# KiCad board MurPhySDR.kicad_pcb (continued)
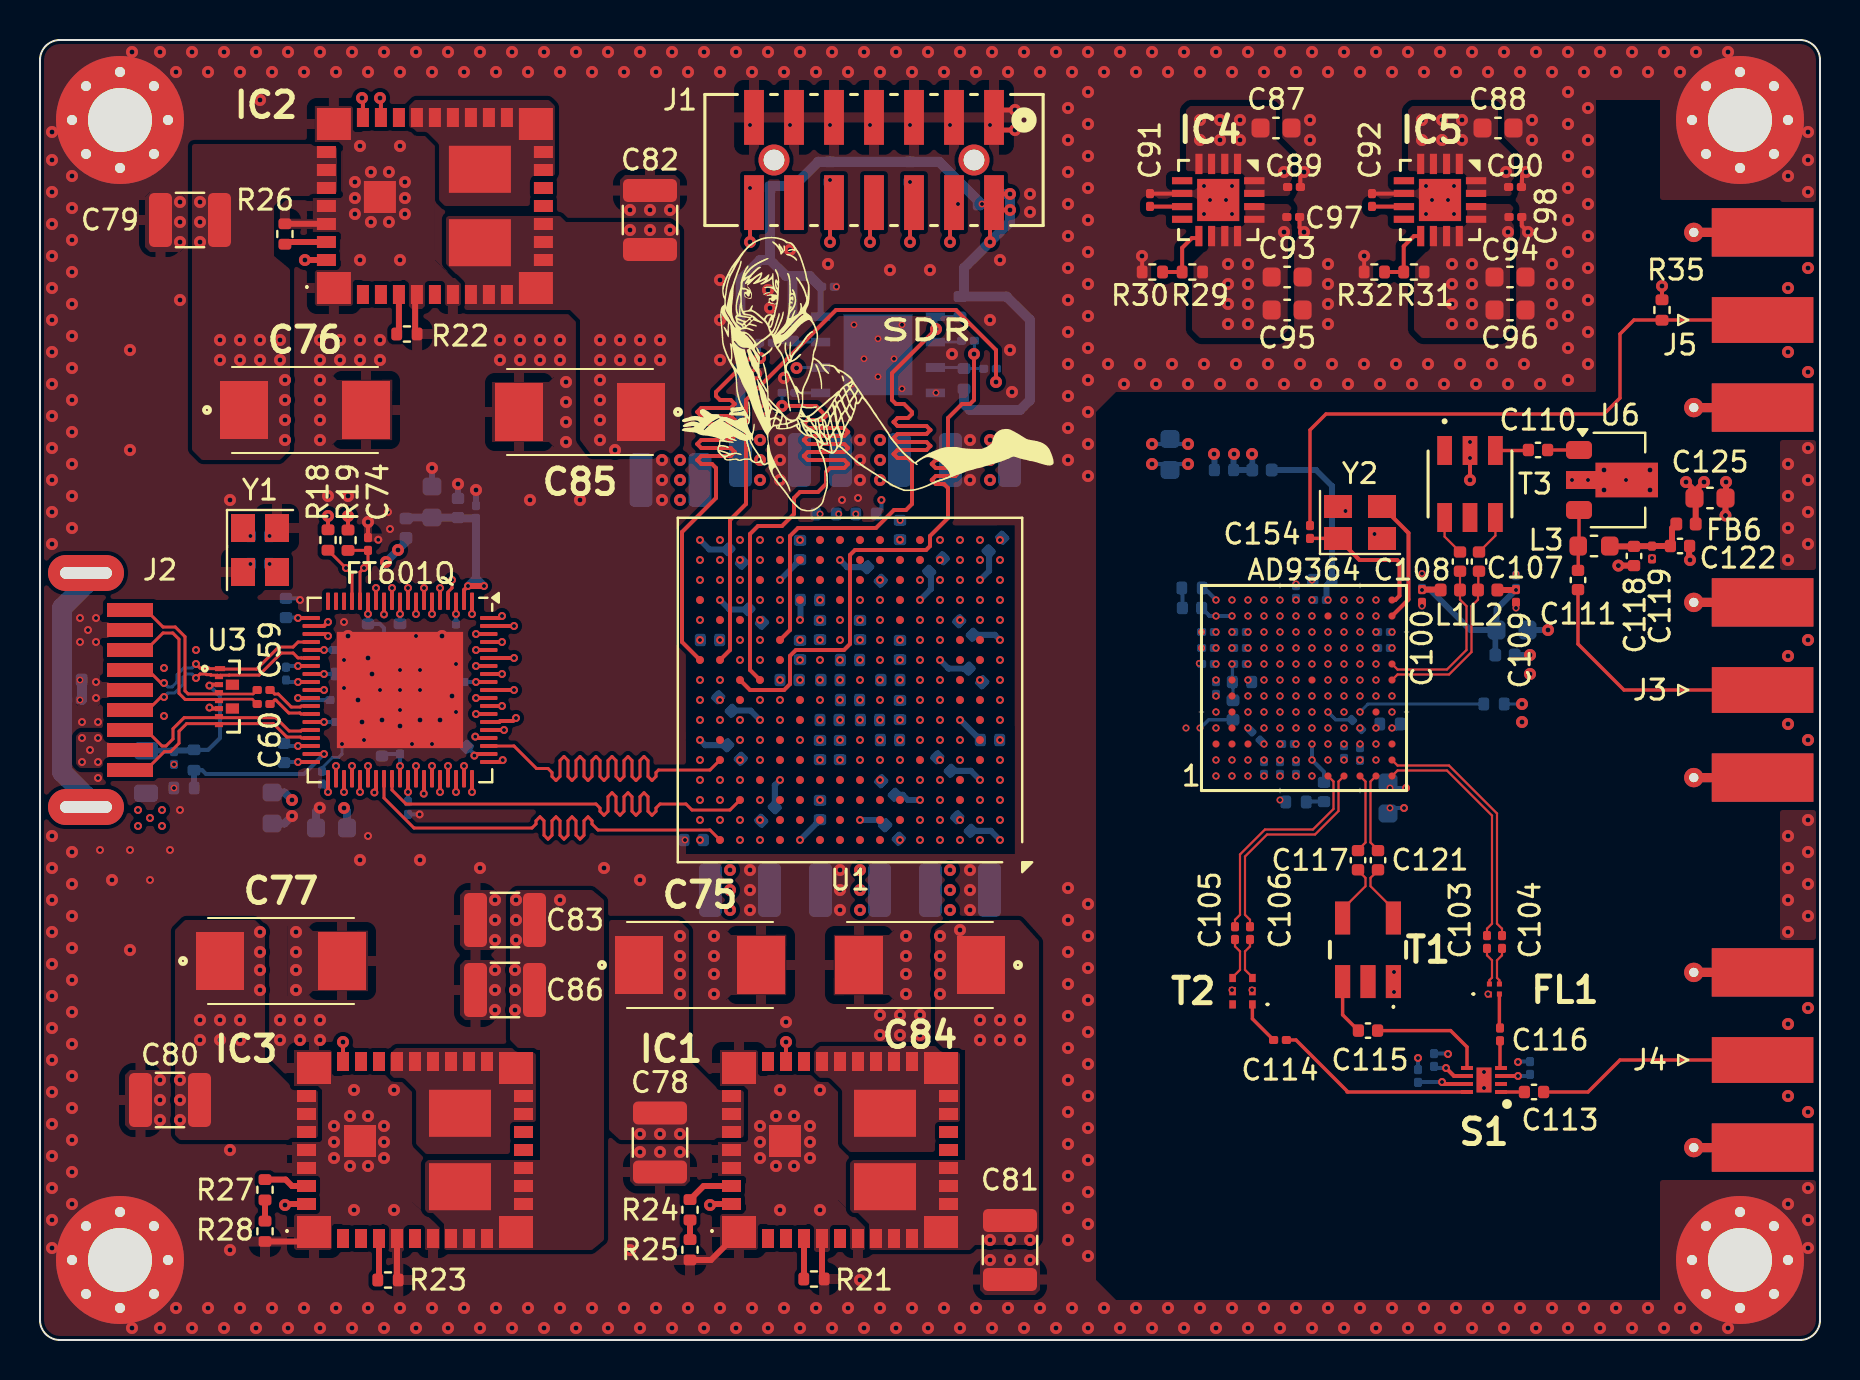
[diagram p0: board, top side]
## Routing (per net, layer and track width the routed paths; a pad name or vN(x,y) marks a point on that pad's centre or on a via; arc(x,y) is an arc through that point) (continued)
FTDI_OE: length 19.2
  Top w0.2: U4.13 v2(16.8,37.6)
  In2.Cu w0.15: v2(16.8,37.6) 19.6,40.4 33.6,40.4 v3(34,40)
FTDI_RD: length 19.3
  Top w0.2: 17.2,36.92 v2(17.2,36.28)
  In2.Cu w0.15: v3(33,38) 32.1,37.1 31.3,37.1 31,36.8 26.95,36.8 26.65,37.11 26.55,37.11 26.4,36.95 26.4,36.64 26.24,36.47 26.16,36.47 26,36.64 26,36.96 25.84,37.13 25.76,37.13 25.6,36.96 25.6,36.65 25.45,36.49 25.31,36.49 25,36.8 24.2,36.8 23.6,37.4 22.7,37.4 22.47,37.18 18.09,37.18 v2(17.2,36.28)
FTDI_RESET: length 24.5
  Top w0.15: R19.2 C74.1 16.4,38.8 v2(16.2,38.6) 16,38.4 U4.15
  In5.Cu w0.15: v3(36,40) 35.5,40.5 18.1,40.5 v2(16.2,38.6)
FTDI_RXF: length 19.3
  Top w0.2: U4.9 v2(18.4,37.6)
  In2.Cu w0.15: v3(33,39) 31.9,39 31.5,38.6 29.69,38.6 29.51,38.42 29.29,38.42 29.2,38.51 29.2,38.69 29.11,38.79 28.89,38.79 28.8,38.69 28.8,38.51 28.71,38.41 28.49,38.41 28.4,38.51 28.4,38.69 28.31,38.79 28.09,38.79 28,38.69 28,38.51 27.91,38.41 27.69,38.41 27.6,38.51 27.6,38.69 27.51,38.79 27.29,38.79 27.2,38.69 27.2,38.51 27.11,38.41 26.89,38.41 26.8,38.51 26.8,38.69 26.71,38.79 26.49,38.79 26.4,38.69 26.4,38.51 26.31,38.41 26.09,38.41 26,38.51 26,38.69 25.91,38.79 25.69,38.79 25.6,38.69 25.6,38.51 25.51,38.41 25.29,38.41 25.2,38.51 25.2,38.69 25.11,38.78 24.88,38.78 24.7,38.6 21.9,38.6 21.44,39.06 19.86,39.06 v2(18.4,37.6)
FTDI_TXE: length 19.3
  Top w0.2: U4.8 v2(18.8,36.3)
  In2.Cu w0.15: v3(35,38) 34.4,37.4 32.9,37.4 32.1,36.6 31.4,36.6 30.8,36 29.74,36 29.46,35.72 29.34,35.72 29.2,35.86 29.2,36.15 29.05,36.3 28.95,36.3 28.8,36.15 28.8,35.86 28.66,35.72 28.48,35.72 28.2,36 24.4,36 23.6,36.8 19.3,36.8 v2(18.8,36.3)
FTDI_WAKEUP: length 26.4
  Top w0.15: U4.16 15.6,38.29 15.3,38.59 v2(15.3,38.6) 15.29,38.6 R18.2 ; R18.2 14.39,39.5 14.4,39.5 R18.2
  In5.Cu w0.15: v2(15.3,38.6) 15.3,39 17.28,40.97 36.03,40.97 v3(37,40)
FTDI_WR: length 19.2
  Top w0.2: U4.11 v2(17.6,37.6)
  In2.Cu w0.15: v2(17.6,37.6) 19.8,39.8 32.63,39.8 32.83,39.6 34.6,39.6 v3(35,40)
RF-SWITCH_A: length 38.9
  Top w0.2: S1.3 v2(73.9,13.2)
  In2.Cu w0.2: v3(44,25) 44,22.5 44.52,21.98 46.78,21.98 50.6,18.16 50.6,17.8 51.93,16.47 52.29,16.47 56.76,12 72.7,12 v2(73.9,13.2)
  Bottom w0.2: C124.1 74.42,13.2 v2(73.9,13.2)
RF-SWITCH_B: length 33.9
  Top w0.2: v2(70.1,12.9) 70.2,12.8 S1.7
  In2.Cu w0.2: v3(45,25) 45,23.25 45.25,23 46.78,23 51.18,18.6 51.55,18.6 53.2,16.95 53.2,16.57 56.88,12.9 v2(70.1,12.9)
  Bottom w0.2: v2(70.1,12.9) 68.98,12.9 68.9,12.98
RF-SWITCH_C: length 33.1
  Top w0.2: S1.6 70.7,13.2 v2(70.3,13.6)
  In2.Cu w0.2: v3(45,26) 45.5,25.5 45.5,24.5 46,24 47.6,24 52.2,19.4 52.6,19.4 53.2,18.8 53.2,18.4 58,13.6 v2(70.3,13.6)
  Bottom w0.2: C123.1 69.78,13.6 v2(70.3,13.6)
RFE_CLK_OUT: length 26.5
  In2.Cu w0.15: v3(65.2,32.2) 64.72,31.72 64.27,31.72 63.98,31.43 63.98,28.93 63.73,28.69 63.64,28.69 63.28,28.33 63.28,28.19 62.8,27.7 61.54,27.7 59.24,25.4 52.17,25.4 51.78,25.01 51.77,25.01 51.57,25.2 51.57,25.57 51.4,25.74 51.34,25.74 51,25.4 50.7,25.4 48.6,27.5 45.5,27.5 v3(45,27)
RFE_CTRL_IN0: length 22.8
  In5.Cu w0.15: v3(60.4,31.4) 59.25,31.4 58.93,31.09 57.27,31.09 57.15,31.2 56.83,31.2 56.66,31.37 56.66,31.38 56.5,31.55 56.34,31.38 56.34,31.01 56.17,30.85 56,31.01 56,31.38 55.84,31.55 55.68,31.38 55.68,31.01 55.51,30.85 55.34,31.01 55.34,31.38 55.18,31.55 55.01,31.38 55.01,31.01 54.85,30.85 54.69,31.01 54.69,31.38 54.52,31.55 54.35,31.38 54.35,31.01 54.19,30.85 54.03,31.01 54.03,31.38 53.86,31.55 53.69,31.38 53.69,31.01 53.53,30.85 53.37,31.01 53.37,31.38 53.2,31.55 53.03,31.38 53.03,31.01 52.87,30.85 52.71,31.01 52.71,31.38 52.54,31.55 52.38,31.38 52.38,31.01 52.21,30.85 52.04,31.01 52.04,31.38 51.88,31.55 51.72,31.38 51.72,31.01 51.55,30.85 51.38,31.01 51.38,31.38 51.22,31.55 51.06,31.38 51.06,31.01 50.89,30.85 50.72,31.01 50.72,31.38 50.56,31.55 50.4,31.38 50.4,31.01 50.23,30.85 50.06,31.01 50.06,31.03 49.9,31.2 49.5,31.2 48.7,32 v3(48,32)
RFE_CTRL_IN1: length 24.3
  In5.Cu w0.15: v3(60.4,32.2) 60.09,31.88 56.41,31.88 56.2,32.1 55.9,32.1 55.67,32.34 55.62,32.34 55.5,32.22 55.5,31.98 55.38,31.86 55.35,31.86 55.22,31.98 55.22,32.22 55.1,32.34 55.07,32.34 54.94,32.22 54.94,31.98 54.82,31.86 54.79,31.86 54.66,31.98 54.66,32.22 54.54,32.34 54.51,32.34 54.38,32.22 54.38,31.98 54.26,31.86 54.23,31.86 54.1,31.98 54.1,32.22 53.98,32.34 53.95,32.34 53.82,32.22 53.82,31.98 53.7,31.86 53.67,31.86 53.54,31.98 53.54,32.22 53.42,32.34 53.39,32.34 53.26,32.22 53.26,31.98 53.14,31.86 53.11,31.86 52.99,31.98 52.99,32.22 52.86,32.34 52.83,32.34 52.71,32.22 52.71,31.98 52.58,31.86 52.55,31.86 52.43,31.98 52.43,32.22 52.3,32.34 52.27,32.34 52.15,32.22 52.15,31.98 52.02,31.86 51.99,31.86 51.87,31.98 51.87,32.22 51.74,32.34 51.71,32.34 51.59,32.22 51.59,31.98 51.46,31.86 51.43,31.86 51.31,31.98 51.31,32.22 51.18,32.34 51.15,32.34 51.03,32.22 51.03,31.98 50.9,31.86 50.87,31.86 50.75,31.98 50.75,32.22 50.62,32.34 50.59,32.34 50.47,32.22 50.47,31.98 50.34,31.86 50.31,31.86 50.19,31.98 50.19,32.22 50.06,32.34 50.03,32.34 49.91,32.22 49.91,31.98 49.79,31.86 49.74,31.86 49.5,32.1 49.3,32.1 48.9,32.5 44.5,32.5 v3(44,32)
RFE_CTRL_IN2: length 24.4
  In5.Cu w0.15: v3(44,31) 44.5,31.5 48.4,31.5 49.62,30.28 50.1,30.28 50.34,30.05 50.51,30.05 50.62,30.17 50.62,30.4 50.74,30.52 50.91,30.52 51.03,30.4 51.03,30.17 51.14,30.05 51.31,30.05 51.43,30.17 51.43,30.4 51.54,30.52 51.71,30.52 51.82,30.4 51.82,30.17 51.94,30.05 52.11,30.05 52.22,30.17 52.22,30.4 52.34,30.52 52.51,30.52 52.62,30.4 52.62,30.17 52.74,30.05 52.91,30.05 53.03,30.17 53.03,30.4 53.14,30.52 53.31,30.52 53.43,30.4 53.43,30.17 53.54,30.05 53.71,30.05 53.82,30.17 53.82,30.4 53.94,30.52 54.11,30.52 54.22,30.4 54.22,30.17 54.34,30.05 54.51,30.05 54.62,30.17 54.62,30.4 54.74,30.52 54.91,30.52 55.03,30.4 55.03,30.17 55.14,30.05 55.31,30.05 55.43,30.17 55.43,30.4 55.54,30.52 55.71,30.52 55.82,30.4 55.82,30.17 55.94,30.05 56.11,30.05 56.22,30.17 56.22,30.4 56.34,30.52 56.51,30.52 56.83,30.2 59,30.2 59.72,30.91 60.45,30.91 60.78,31.24 60.78,31.56 60.72,31.62 60.72,31.72 v3(61.2,32.2)
RFE_CTRL_IN3: length 24.3
  In5.Cu w0.15: v3(61.2,31.4) 61.2,31.15 60.72,30.66 60.72,30.47 59.84,29.59 58.55,29.59 58.46,29.5 57,29.5 56.75,29.74 56.65,29.74 56.53,29.62 56.53,29.38 56.4,29.25 56.3,29.25 56.18,29.38 56.18,29.62 56.05,29.75 55.95,29.75 55.82,29.62 55.82,29.38 55.7,29.25 55.6,29.25 55.47,29.38 55.47,29.62 55.35,29.75 55.25,29.75 55.12,29.62 55.12,29.38 55,29.25 54.9,29.25 54.78,29.38 54.78,29.62 54.65,29.75 54.55,29.75 54.43,29.62 54.43,29.38 54.3,29.25 54.2,29.25 54.07,29.38 54.07,29.62 53.95,29.75 53.85,29.75 53.72,29.62 53.72,29.38 53.6,29.25 53.5,29.25 53.38,29.38 53.38,29.62 53.25,29.75 53.15,29.75 53.03,29.62 53.03,29.38 52.9,29.25 52.8,29.25 52.68,29.38 52.68,29.62 52.55,29.75 52.45,29.75 52.32,29.62 52.32,29.38 52.2,29.25 52.1,29.25 51.97,29.38 51.97,29.62 51.85,29.75 51.75,29.75 51.62,29.62 51.62,29.38 51.5,29.25 51.4,29.25 51.28,29.38 51.28,29.62 51.15,29.75 51.05,29.75 50.93,29.62 50.93,29.38 50.8,29.25 50.7,29.25 50.57,29.38 50.57,29.62 50.45,29.74 50.34,29.74 50.1,29.5 49.3,29.5 48.3,30.5 45.5,30.5 v3(45,30)
RFE_CTRL_OUT0: length 24.3
  In5.Cu w0.15: v3(61.2,30.6) 61.2,30.35 59.91,29.06 59.91,29.13 59.73,29.31 58.67,29.31 57.95,28.6 57.66,28.9 57.55,28.9 57.4,28.75 57.4,28.45 57.26,28.3 57.15,28.3 57,28.45 57,28.75 56.86,28.9 56.75,28.9 56.6,28.75 56.6,28.45 56.46,28.3 56.35,28.3 56.2,28.45 56.2,28.75 56.06,28.9 55.95,28.9 55.8,28.75 55.8,28.53 55.73,28.45 55.48,28.45 55.4,28.53 55.4,28.75 55.26,28.9 55.15,28.9 55,28.75 55,28.53 54.93,28.45 54.68,28.45 54.6,28.53 54.6,28.75 54.46,28.9 54.35,28.9 54.2,28.75 54.2,28.45 54.06,28.3 53.95,28.3 53.8,28.45 53.8,28.75 53.66,28.9 53.55,28.9 53.4,28.75 53.4,28.45 53.26,28.3 53.15,28.3 53,28.45 53,28.75 52.86,28.9 52.75,28.9 52.6,28.75 52.6,28.45 52.46,28.3 52.35,28.3 52.2,28.45 52.2,28.75 52.06,28.9 51.95,28.9 51.8,28.75 51.8,28.45 51.66,28.3 51.55,28.3 51.4,28.45 51.4,28.75 51.26,28.9 51.15,28.9 51,28.75 51,28.45 50.86,28.3 50.75,28.3 50.6,28.45 50.6,28.75 50.46,28.9 50.35,28.9 50.06,28.6 49,28.6 48.2,29.4 46.4,29.4 v3(46,29)
RFE_CTRL_OUT1: length 26.5
  In2.Cu w0.15: v3(62,30.6) 62,30.3 61.88,30.18 61.78,30.18 61.58,29.98 61.58,29.64 61.34,29.4 60.2,29.4 60,29.2 60,28.8 59.8,28.6 58.1,28.6 57.9,28.4 57.19,28.4 57.01,28.21 56.86,28.21 56.77,28.31 56.77,28.5 56.67,28.59 56.54,28.59 56.44,28.5 56.44,28.3 56.34,28.21 56.21,28.21 56.11,28.3 56.11,28.5 56.01,28.59 55.88,28.59 55.78,28.5 55.78,28.3 55.68,28.21 55.55,28.21 55.45,28.3 55.45,28.5 55.35,28.59 55.22,28.59 55.12,28.5 55.12,28.3 55.02,28.21 54.89,28.21 54.79,28.3 54.79,28.5 54.69,28.59 54.56,28.59 54.46,28.5 54.46,28.3 54.36,28.21 54.23,28.21 54.13,28.3 54.13,28.5 54.03,28.59 53.9,28.59 53.8,28.5 53.8,28.3 53.7,28.21 53.57,28.21 53.47,28.3 53.47,28.5 53.37,28.59 53.24,28.59 53.14,28.5 53.14,28.3 53.04,28.21 52.91,28.21 52.81,28.3 52.81,28.5 52.71,28.59 52.58,28.59 52.48,28.5 52.48,28.3 52.38,28.21 52.25,28.21 52.15,28.3 52.15,28.5 52.05,28.59 51.92,28.59 51.82,28.5 51.82,28.3 51.72,28.21 51.59,28.21 51.49,28.3 51.49,28.5 51.39,28.59 51.26,28.59 51.16,28.5 51.16,28.3 51.06,28.21 50.93,28.21 50.83,28.3 50.83,28.49 50.74,28.59 50.59,28.59 50.4,28.4 50.1,28.4 49,29.5 43.5,29.5 43.3,29.3 43.3,29.3 v3(43,29)
RFE_CTRL_OUT2: length 24.3
  In5.Cu w0.15: v3(62,31.4) 62.31,31.09 62.31,30.22 62.38,30.15 62.38,29.64 62.05,29.31 61.81,29.31 61.51,29.01 61.51,28.83 61.2,28.51 61.07,28.51 60.8,28.25 60.8,28.15 59.95,27.3 59.5,27.3 59.3,27.11 59.15,27.11 59.05,27.2 59.05,27.4 58.95,27.49 58.8,27.49 58.7,27.4 58.7,27.2 58.6,27.11 58.45,27.11 58.35,27.2 58.35,27.4 58.25,27.49 58.1,27.49 58,27.4 58,27.2 57.9,27.11 57.75,27.11 57.65,27.2 57.65,27.4 57.55,27.49 57.4,27.49 57.3,27.4 57.3,27.2 57.2,27.11 57.05,27.11 56.95,27.2 56.95,27.4 56.85,27.49 56.7,27.49 56.6,27.4 56.6,27.25 56.55,27.2 56.3,27.2 56.25,27.25 56.25,27.4 56.15,27.49 55.99,27.49 55.8,27.3 55.64,27.3 55.45,27.49 55.29,27.49 55.1,27.3 54.95,27.3 54.75,27.49 54.6,27.49 54.5,27.4 54.5,27.2 54.4,27.11 54.25,27.11 54.15,27.2 54.15,27.4 54.05,27.49 53.9,27.49 53.8,27.4 53.8,27.2 53.7,27.11 53.55,27.11 53.45,27.2 53.45,27.4 53.35,27.49 53.2,27.49 53.1,27.4 53.1,27.2 53,27.11 52.85,27.11 52.75,27.2 52.75,27.4 52.65,27.49 52.5,27.49 52.4,27.4 52.4,27.2 52.3,27.11 52.15,27.11 52.05,27.2 52.05,27.4 51.95,27.49 51.8,27.49 51.7,27.4 51.7,27.2 51.6,27.11 51.45,27.11 51.35,27.2 51.35,27.4 51.25,27.49 51.1,27.49 51,27.4 51,27.2 50.9,27.11 50.75,27.11 50.65,27.2 50.65,27.4 50.55,27.49 50.4,27.49 50.3,27.4 50.3,27.2 50.2,27.11 50.05,27.11 49.95,27.2 49.95,27.4 49.85,27.49 49.69,27.49 49.5,27.3 49.1,27.3 48.4,28 v3(48,28)
RFE_CTRL_OUT3: length 26.1
  In2.Cu w0.15: v3(62,32.2) 61.65,32.2 61.25,31.8 59.99,31.8 59.19,31 57.1,31 56.9,30.8 56.59,30.8 56.43,30.97 56.43,31.03 56.26,31.2 56.1,31.03 56.1,30.65 55.95,30.5 55.92,30.5 55.77,30.65 55.77,31.03 55.6,31.2 55.44,31.03 55.44,30.65 55.29,30.5 55.26,30.5 55.11,30.65 55.11,31.03 54.94,31.2 54.78,31.03 54.78,30.65 54.63,30.5 54.6,30.5 54.45,30.65 54.45,31.03 54.28,31.2 54.12,31.03 54.12,30.65 53.97,30.5 53.94,30.5 53.79,30.65 53.79,31.03 53.62,31.2 53.46,31.03 53.46,30.65 53.31,30.5 53.28,30.5 53.13,30.65 53.13,31.03 52.97,31.2 52.8,31.03 52.8,30.65 52.65,30.5 52.62,30.5 52.47,30.65 52.47,31.03 52.31,31.2 52.14,31.03 52.14,30.65 51.99,30.5 51.96,30.5 51.81,30.65 51.81,31.03 51.65,31.2 51.48,31.03 51.48,30.65 51.33,30.5 51.3,30.5 51,30.8 50.7,30.8 50,31.5 45.5,31.5 v3(45,31)
RFE_CTRL_OUT4: length 26.5
  In2.Cu w0.15: v3(62.8,32.2) 62.8,31.85 62.4,31.45 62.4,31.35 62.03,30.98 61.84,30.98 61.6,30.74 61.6,30.43 61.35,30.18 60.33,30.18 59.65,29.5 58.6,29.5 58.3,29.2 57.48,29.2 57.23,28.95 57.15,28.95 57.03,29.08 57.03,29.32 56.9,29.45 56.82,29.45 56.69,29.32 56.69,29.08 56.57,28.95 56.49,28.95 56.37,29.08 56.37,29.32 56.24,29.45 56.16,29.45 56.03,29.32 56.03,29.08 55.91,28.95 55.83,28.95 55.71,29.08 55.71,29.32 55.58,29.45 55.5,29.45 55.38,29.32 55.38,29.08 55.25,28.95 55.17,28.95 55.04,29.08 55.04,29.32 54.92,29.45 54.84,29.45 54.72,29.32 54.72,29.08 54.59,28.95 54.51,28.95 54.38,29.08 54.38,29.32 54.26,29.45 54.18,29.45 54.06,29.32 54.06,29.08 53.93,28.95 53.85,28.95 53.72,29.08 53.72,29.32 53.6,29.45 53.52,29.45 53.4,29.32 53.4,29.08 53.27,28.95 53.19,28.95 53.06,29.08 53.06,29.32 52.94,29.45 52.86,29.45 52.74,29.32 52.74,29.08 52.61,28.95 52.53,28.95 52.41,29.08 52.41,29.32 52.28,29.45 52.2,29.45 52.07,29.32 52.07,29.08 51.95,28.95 51.87,28.95 51.75,29.08 51.75,29.32 51.62,29.45 51.54,29.45 51.41,29.32 51.41,29.08 51.29,28.95 51.21,28.95 51.09,29.08 51.09,29.32 50.96,29.45 50.88,29.45 50.75,29.32 50.75,29.08 50.63,28.95 50.55,28.95 50.3,29.2 50.1,29.2 48.8,30.5 46.5,30.5 v3(46,30)
RFE_CTRL_OUT5: length 24.3
  In5.Cu w0.15: v3(62.8,31.4) 63.18,31.02 63.18,28.08 62.5,27.4 61.9,27.4 61.3,26.8 56.32,26.8 56.18,26.93 55.92,26.93 55.85,26.87 55.85,26.75 55.8,26.7 55.5,26.7 55.45,26.75 55.45,26.89 55.36,26.97 55.14,26.97 55.05,26.89 55.05,26.75 55,26.7 54.7,26.7 54.6,26.8 48.74,26.8 48.04,27.5 44.5,27.5 v3(44,28)
RFE_CTRL_OUT6: length 26.5
  In2.Cu w0.15: v3(48,29) 48.5,29 50.1,27.4 50.4,27.4 50.69,27.69 50.73,27.69 50.88,27.55 50.88,27.25 51.03,27.11 51.06,27.11 51.21,27.25 51.21,27.55 51.36,27.69 51.39,27.69 51.54,27.55 51.54,27.25 51.69,27.11 51.72,27.11 51.87,27.25 51.87,27.55 52.02,27.69 52.05,27.69 52.2,27.55 52.2,27.25 52.35,27.11 52.38,27.11 52.53,27.25 52.53,27.55 52.68,27.69 52.71,27.69 52.86,27.55 52.86,27.25 53.01,27.11 53.04,27.11 53.19,27.25 53.19,27.55 53.34,27.69 53.37,27.69 53.52,27.55 53.52,27.25 53.67,27.11 53.7,27.11 53.85,27.25 53.85,27.55 54,27.69 54.03,27.69 54.18,27.55 54.18,27.25 54.33,27.11 54.36,27.11 54.51,27.25 54.51,27.55 54.66,27.69 54.69,27.69 54.84,27.55 54.84,27.25 54.99,27.11 55.02,27.11 55.17,27.25 55.17,27.55 55.32,27.69 55.35,27.69 55.5,27.55 55.5,27.25 55.65,27.11 55.68,27.11 55.83,27.25 55.83,27.55 55.98,27.69 56.01,27.69 56.16,27.55 56.16,27.25 56.31,27.11 56.34,27.11 56.49,27.25 56.49,27.55 56.64,27.69 56.67,27.69 56.82,27.55 56.82,27.25 56.97,27.11 57,27.11 57.15,27.25 57.15,27.55 57.3,27.69 57.33,27.69 57.48,27.55 57.48,27.25 57.63,27.11 57.66,27.11 57.96,27.4 59.4,27.4 60,28 60,28.4 60.2,28.6 61.25,28.6 61.51,28.87 61.51,29.1 61.81,29.4 62.14,29.4 62.38,29.64 62.38,30.18 v3(62.8,30.6)
RFE_CTRL_OUT7: length 26.5
  In2.Cu w0.15: v3(63.6,30.6) 63.22,30.22 63.22,28.97 62.85,28.6 61.7,28.6 61.51,28.41 61.51,28.07 61.33,27.88 60.91,27.88 59.42,26.4 52.96,26.4 52.64,26.71 52.56,26.71 52.4,26.56 52.4,26.23 52.23,26.07 52.17,26.07 52,26.23 52,26.57 51.83,26.73 51.77,26.73 51.6,26.57 51.6,26.23 51.43,26.07 51.37,26.07 51.2,26.23 51.2,26.56 51.04,26.71 50.91,26.71 50.6,26.4 50.3,26.4 48.2,28.5 43.5,28.5 v3(43,28)
RFE_DATA_CLK_P: length 26.7
  In2.Cu w0.15: v3(44,30) 44.5,30.5 44.5,34.2 44.8,34.5 48.3,34.5 48.8,35 49.2,35 49.55,35.35 49.63,35.35 49.8,35.17 49.8,34.82 49.98,34.64 50.02,34.64 50.2,34.82 50.2,35.18 50.38,35.36 50.42,35.36 50.6,35.18 50.6,34.82 50.78,34.64 50.82,34.64 51,34.82 51,35.17 51.17,35.35 51.23,35.35 51.57,35 62.05,35 62.31,35.27 62.31,35.41 62.62,35.72 63.12,35.72 v3(63.6,36.2)
RFE_EN_AGC: length 24.3
  In5.Cu w0.15: v3(44,26) 44.4,26.4 62.25,26.4 63.98,28.13 63.98,31.02 v3(63.6,31.4)
RFE_ENABLE: length 24.4
  In5.Cu w0.15: v3(48,26) 48.6,26 48.9,25.7 53.73,25.7 53.9,25.53 54.14,25.53 54.23,25.61 54.23,25.79 54.32,25.88 54.54,25.88 54.63,25.79 54.63,25.61 54.72,25.52 54.94,25.52 55.03,25.61 55.03,25.79 55.12,25.88 55.34,25.88 55.43,25.79 55.43,25.61 55.52,25.52 55.74,25.52 55.83,25.61 55.83,25.79 55.92,25.88 56.14,25.88 56.23,25.79 56.23,25.61 56.32,25.52 56.54,25.52 56.63,25.61 56.63,25.79 56.72,25.87 56.94,25.87 57.12,25.7 62.1,25.7 64.72,28.31 64.72,31.53 64.53,31.72 64.09,31.72 v3(63.6,32.2)
RFE_FB_CLK_P: length 25.7
  In5.Cu w0.15: v3(45,28) 45.38,28.38 48.82,28.38 49.2,28 54.2,28 54.36,27.84 54.62,27.84 54.7,27.92 54.7,28.08 54.78,28.17 55.02,28.17 55.1,28.08 55.1,27.92 55.18,27.83 55.42,27.83 55.5,27.92 55.5,28.08 55.58,28.16 55.82,28.16 55.98,28 58.15,28 58.67,28.51 60.36,28.51 60.72,28.87 60.72,29.01 61.1,29.4 61.34,29.4 61.58,29.64 61.58,33.03 61.87,33.31 62.85,33.31 63.2,33.66 63.2,34.65 62.8,35.05 v3(62.8,35.4)
RFE_P0D0: length 26.4
  In2.Cu w0.11: v3(44,38) 44.37,37.63 48.21,37.63 48.28,37.7 48.41,37.7
  In2.Cu w0.15: 48.41,37.7 49.8,37.7 51.1,39 51.6,39 51.8,38.8 51.93,38.8 52.03,38.9 52.03,39.1 52.13,39.2 52.26,39.2 52.36,39.1 52.36,38.9 52.46,38.8 52.59,38.8 52.69,38.9 52.69,39.1 52.79,39.2 52.92,39.2 53.02,39.1 53.02,38.9 53.12,38.8 53.25,38.8 53.35,38.9 53.35,39.1 53.45,39.2 53.58,39.2 53.68,39.1 53.68,38.9 53.78,38.8 53.91,38.8 54.01,38.9 54.01,39.1 54.11,39.2 54.24,39.2 54.34,39.1 54.34,38.9 54.44,38.8 54.57,38.8 54.67,38.9 54.67,39.1 54.77,39.2 54.9,39.2 55,39.1 55,38.9 55.1,38.8 55.23,38.8 55.33,38.9 55.33,39.1 55.43,39.2 55.56,39.2 55.66,39.1 55.66,38.9 55.76,38.8 55.89,38.8 55.99,38.9 55.99,39.1 56.09,39.2 56.22,39.2 56.32,39.1 56.32,38.9 56.42,38.8 56.55,38.8 56.65,38.9 56.65,39.1 56.75,39.2 56.88,39.2 56.98,39.1 56.98,38.9 57.08,38.8 57.21,38.8 57.31,38.9 57.31,39.1 57.41,39.2 57.54,39.2 57.64,39.1 57.64,38.9 57.74,38.8 57.87,38.8 57.97,38.9 57.97,39.1 58.07,39.2 58.2,39.2 58.3,39.1 58.3,38.9 58.4,38.8 58.53,38.8 58.63,38.9 58.63,39.1 58.73,39.2 58.86,39.2 58.96,39.1 58.96,38.9 59.06,38.8 59.19,38.8 59.39,39 60.6,39 62,37.6 v3(62,37)
  In2.Cu w0.17: v3(62,37) 62,37.08
RFE_P0D1: length 26.7
  In2.Cu w0.15: v3(61.2,36.2) 60.88,36.51 60.88,36.96 60.35,37.5 58.6,37.5 58.1,37 57.55,37 57.38,37.18 57.38,37.26 57.2,37.44 57.03,37.26 57.03,36.74 56.85,36.56 56.68,36.74 56.68,37.26 56.5,37.44 56.32,37.26 56.32,36.74 56.15,36.56 55.97,36.74 55.97,37.26 55.8,37.44 55.62,37.26 55.62,36.74 55.45,36.56 55.28,36.74 55.28,37.26 55.1,37.44 54.93,37.26 54.93,36.74 54.75,36.56 54.57,36.74 54.57,37.26 54.4,37.44 54.22,37.26 54.22,36.74 54.05,36.56 53.88,36.74 53.88,37.26 53.7,37.44 53.53,37.26 53.53,36.74 53.35,36.56 53.18,36.74 53.18,37.26 53,37.44 52.82,37.26 52.82,36.74 52.65,36.56 52.47,36.74 52.47,36.82 52.3,37 52,37 51.62,36.62 45.62,36.62 v3(45,36)
RFE_P0D2: length 26.7
  In2.Cu w0.11: v3(45,37) 45.37,37.37 48.2,37.37 48.27,37.3 48.41,37.3
  In2.Cu w0.15: v3(62,36.2) 61.58,36.62 61.58,37.07 60.55,38.1 59.6,38.1 59.3,37.81 59.27,37.81 59.12,37.95 59.12,38.25 58.97,38.4 58.94,38.4 58.79,38.25 58.79,37.95 58.64,37.8 58.61,37.8 58.46,37.95 58.46,38.25 58.31,38.4 58.28,38.4 58.13,38.25 58.13,37.95 57.98,37.8 57.95,37.8 57.8,37.95 57.8,38.25 57.65,38.4 57.62,38.4 57.47,38.25 57.47,37.95 57.32,37.8 57.29,37.8 57.14,37.95 57.14,38.25 56.99,38.4 56.96,38.4 56.81,38.25 56.81,37.95 56.66,37.8 56.63,37.8 56.48,37.95 56.48,38.25 56.33,38.4 56.3,38.4 56.15,38.25 56.15,37.95 56,37.8 55.97,37.8 55.82,37.95 55.82,38.25 55.67,38.4 55.64,38.4 55.49,38.25 55.49,37.95 55.34,37.8 55.31,37.8 55.16,37.95 55.16,38.25 55.01,38.4 54.98,38.4 54.83,38.25 54.83,37.95 54.68,37.8 54.65,37.8 54.5,37.95 54.5,38.25 54.35,38.4 54.32,38.4 54.17,38.25 54.17,37.95 54.02,37.8 53.99,37.8 53.84,37.95 53.84,38.25 53.69,38.4 53.66,38.4 53.51,38.25 53.51,37.95 53.36,37.8 53.33,37.8 53.18,37.95 53.18,38.25 53.03,38.39 52.99,38.39 52.7,38.1 52.4,38.1 51.6,37.3 48.41,37.3
RFE_P0D3: length 26.7
  In2.Cu w0.15: v3(61.2,35.4) 60.8,35.8 58.43,35.8 58.33,35.9 57.4,35.9 57.2,35.7 56.72,35.7 56.56,35.87 56.56,36.02 56.39,36.19 56.22,36.02 56.22,35.48 56.06,35.31 55.9,35.48 55.9,36.02 55.73,36.19 55.56,36.02 55.56,35.48 55.4,35.31 55.24,35.48 55.24,36.02 55.07,36.19 54.91,36.02 54.91,35.48 54.74,35.31 54.57,35.48 54.57,36.02 54.41,36.19 54.25,36.02 54.25,35.48 54.08,35.31 53.91,35.48 53.91,36.02 53.75,36.19 53.59,36.02 53.59,35.48 53.42,35.31 53.25,35.48 53.25,36.02 53.09,36.19 52.93,36.02 52.93,35.48 52.76,35.31 52.59,35.48 52.59,36.02 52.43,36.19 52.26,36.02 52.26,35.87 52.1,35.7 51.9,35.7 51.7,35.9 48.7,35.9 48.3,35.5 44.5,35.5 v3(44,35)
RFE_P0D4: length 25.7
  In5.Cu w0.11: 48.4,36.3 48.26,36.3 48.19,36.37 47.77,36.37 47.4,36 v3(47,36)
  In5.Cu w0.15: v3(62,35.4) 62,35.7 61.6,36.1 61.6,36.3 61.3,36.6 60.99,36.6 60.8,36.78 60.8,37.05 60.53,37.31 59.33,37.31 59.16,37.48 59.16,37.59 59,37.76 58.83,37.59 58.83,37.48 58.65,37.3 58.32,37.3 58.16,37.47 58.16,37.68 57.99,37.84 57.82,37.68 57.82,37.47 57.66,37.3 57.5,37.47 57.5,37.68 57.33,37.84 57.16,37.68 57.16,37.47 57,37.3 56.84,37.47 56.84,37.68 56.67,37.84 56.5,37.68 56.5,37.47 56.34,37.3 56.18,37.47 56.18,37.68 56.01,37.84 55.84,37.68 55.84,37.47 55.68,37.3 55.51,37.47 55.51,37.68 55.35,37.84 55.19,37.68 55.19,37.47 55.02,37.3 54.85,37.47 54.85,37.68 54.69,37.84 54.53,37.68 54.53,37.47 54.36,37.3 54.19,37.47 54.19,37.68 54.03,37.84 53.87,37.68 53.87,37.47 53.7,37.3 53.53,37.47 53.53,37.68 53.37,37.84 53.21,37.68 53.21,37.47 53.04,37.3 52.88,37.47 52.88,37.68 52.71,37.84 52.54,37.68 52.54,37.47 52.38,37.3 52.22,37.47 52.22,37.68 52.05,37.84 51.88,37.68 51.88,37.47 51.72,37.3 51.56,37.47 51.56,37.68 51.39,37.84 51.22,37.68 51.22,37.47 51.06,37.3 50.9,37.47 50.9,37.68 50.73,37.84 50.56,37.68 50.56,37.47 50.4,37.3 50.3,37.3 49.3,36.3 48.4,36.3
RFE_P0D5: length 24.3
  In5.Cu w0.11: v3(45,35) 47.3,35 47.66,35.36 48.15,35.36 48.21,35.3 48.4,35.3
  In5.Cu w0.15: v3(61.2,34.6) 60.85,34.6 60.45,35 57.61,35 57.35,35.26 57.19,35.09 57.19,35.07 57.02,34.91 56.85,35.07 56.85,35.24 56.69,35.41 56.53,35.24 56.53,35.07 56.36,34.91 56.19,35.07 56.19,35.24 56.03,35.41 55.87,35.24 55.87,35.07 55.7,34.91 55.53,35.07 55.53,35.24 55.37,35.41 55.21,35.24 55.21,35.07 55.04,34.91 54.88,35.07 54.88,35.24 54.71,35.41 54.54,35.24 54.54,35.07 54.38,34.91 54.22,35.07 54.22,35.24 54.05,35.41 53.88,35.24 53.88,35.07 53.72,34.91 53.56,35.07 53.56,35.24 53.39,35.41 53.22,35.24 53.22,35.07 53.06,34.91 52.9,35.07 52.9,35.24 52.73,35.41 52.56,35.24 52.56,35.07 52.4,34.91 52.24,35.07 52.24,35.24 52.07,35.41 51.91,35.24 51.91,35.07 51.74,34.91 51.57,35.07 51.57,35.24 51.41,35.41 51.25,35.24 51.25,35.07 51.08,34.91 50.91,35.07 50.91,35.24 50.75,35.41 50.59,35.24 50.59,35.07 50.42,34.91 50.25,35.07 50.25,35.24 50.09,35.41 49.93,35.24 49.93,35.07 49.76,34.91 49.59,35.07 49.59,35.24 49.43,35.41 49.26,35.24 49.26,35.07 49.1,34.91 48.89,34.91 48.5,35.3 48.4,35.3
RFE_P0D6: length 24.3
  In5.Cu w0.11: v3(44,36) 44.37,35.63 48.2,35.63 48.27,35.7 48.4,35.7
  In5.Cu w0.15: 48.4,35.7 49.85,35.7 50.35,36.2 50.5,36.2 50.66,36.03 50.66,35.93 50.83,35.76 51,35.93 51,36.03 51.16,36.2 51.32,36.03 51.32,35.93 51.49,35.76 51.66,35.93 51.66,36.03 51.82,36.2 51.99,36.03 51.99,35.93 52.15,35.76 52.31,35.93 52.31,36.03 52.48,36.2 52.65,36.03 52.65,35.93 52.81,35.76 52.97,35.93 52.97,36.03 53.14,36.2 53.31,36.03 53.31,35.93 53.47,35.76 53.63,35.93 53.63,36.03 53.8,36.2 53.97,36.03 53.97,35.93 54.13,35.76 54.29,35.93 54.29,36.03 54.46,36.2 54.62,36.03 54.62,35.93 54.79,35.76 54.96,35.93 54.96,36.03 55.12,36.2 55.28,36.03 55.28,35.93 55.45,35.76 55.62,35.93 55.62,36.03 55.78,36.2 55.94,36.03 55.94,35.93 56.11,35.76 56.28,35.93 56.28,36.03 56.44,36.2 56.6,36.03 56.6,35.93 56.77,35.76 56.94,35.93 56.94,36.03 57.1,36.2 57.26,36.03 57.26,35.98 57.43,35.81 57.59,35.98 57.59,36.03 57.76,36.2 58.35,36.2 58.67,35.88 60.36,35.88 60.88,35.36 60.88,35.27 61.07,35.09 61.26,35.09 61.75,34.6 v3(62,34.6)
RFE_P0D7: length 24.3
  In5.Cu w0.15: v3(61.2,33.8) 60.8,33.4 57.79,33.4 57.66,33.27 57.66,33.05 57.52,32.92 57.46,32.92 57.33,33.05 57.33,33.75 57.19,33.88 57.13,33.88 57,33.75 57,33.05 56.86,32.92 56.8,32.92 56.67,33.05 56.67,33.65 56.53,33.78 56.47,33.78 56.34,33.65 56.34,33.53 56.2,33.4 56.06,33.4 55.91,33.25 55.75,33.42 55.75,33.75 55.6,33.89 55.56,33.89 55.41,33.75 55.41,33.53 55.34,33.46 55.16,33.46 55.09,33.53 55.09,33.75 54.94,33.89 54.9,33.89 54.6,33.6 54.56,33.6 54.28,33.89 54.23,33.89 53.94,33.6 53.9,33.6 53.62,33.89 53.57,33.89 53.28,33.6 53.24,33.6 52.96,33.89 52.91,33.89 52.62,33.6 52.58,33.6 52.29,33.89 52.25,33.89 51.97,33.6 51.92,33.6 51.63,33.89 51.59,33.89 51.31,33.6 51.26,33.6 50.97,33.89 50.93,33.89 50.65,33.6 50.6,33.6 50.31,33.89 50.27,33.89 49.99,33.6 49.82,33.76 49.82,33.78 49.66,33.95 49.49,33.78 49.49,33.76 49.32,33.6 49.16,33.76 49.16,33.78 49,33.95 48.83,33.78 48.83,33.5 48.73,33.41 48.59,33.41 48.4,33.6 44.6,33.6 v3(44,33)
RFE_P0D8: length 24.3
  In5.Cu w0.15: v3(62,33.8) 61.62,34.18 57.26,34.18 57.09,34.34 57.09,34.46 56.93,34.62 56.76,34.46 56.76,34.13 56.72,34.08 56.49,34.08 56.44,34.13 56.44,34.46 56.27,34.63 56.1,34.46 56.1,34.34 55.94,34.18 55.78,34.34 55.78,34.46 55.61,34.63 55.44,34.46 55.44,34.34 55.28,34.18 55.12,34.34 55.12,34.46 54.95,34.63 54.78,34.46 54.78,34.34 54.62,34.18 54.46,34.34 54.46,34.46 54.29,34.63 54.12,34.46 54.12,34.34 53.96,34.18 53.79,34.34 53.79,34.46 53.63,34.63 53.47,34.46 53.47,34.34 53.3,34.18 53.13,34.34 53.13,34.46 52.97,34.63 52.81,34.46 52.81,34.34 52.64,34.18 52.47,34.34 52.47,34.46 52.31,34.63 52.15,34.46 52.15,34.34 51.98,34.18 51.81,34.34 51.81,34.46 51.65,34.63 51.49,34.46 51.49,34.34 51.32,34.18 51.16,34.34 51.16,34.46 50.99,34.63 50.82,34.46 50.82,34.34 50.66,34.18 50.5,34.34 50.5,34.46 50.33,34.63 50.16,34.46 50.16,34.34 50,34.18 49.82,34.18 49.6,34.4 44.4,34.4 v3(44,34)
